# Altium PCB Port Depoyable Solar Panel 2U.PcbDoc
Units mm, origin at the board's own origin, x right, y up, seen from the top; angles counter-clockwise.
Board outline 214 x 81 mm, 2 copper layers (Top Layer, Bottom Layer), stack 1.649 mm thick; 53 components, 35 nets, 166 pads, 704 vias.
Unrouted connection lines stored in the file: 33.
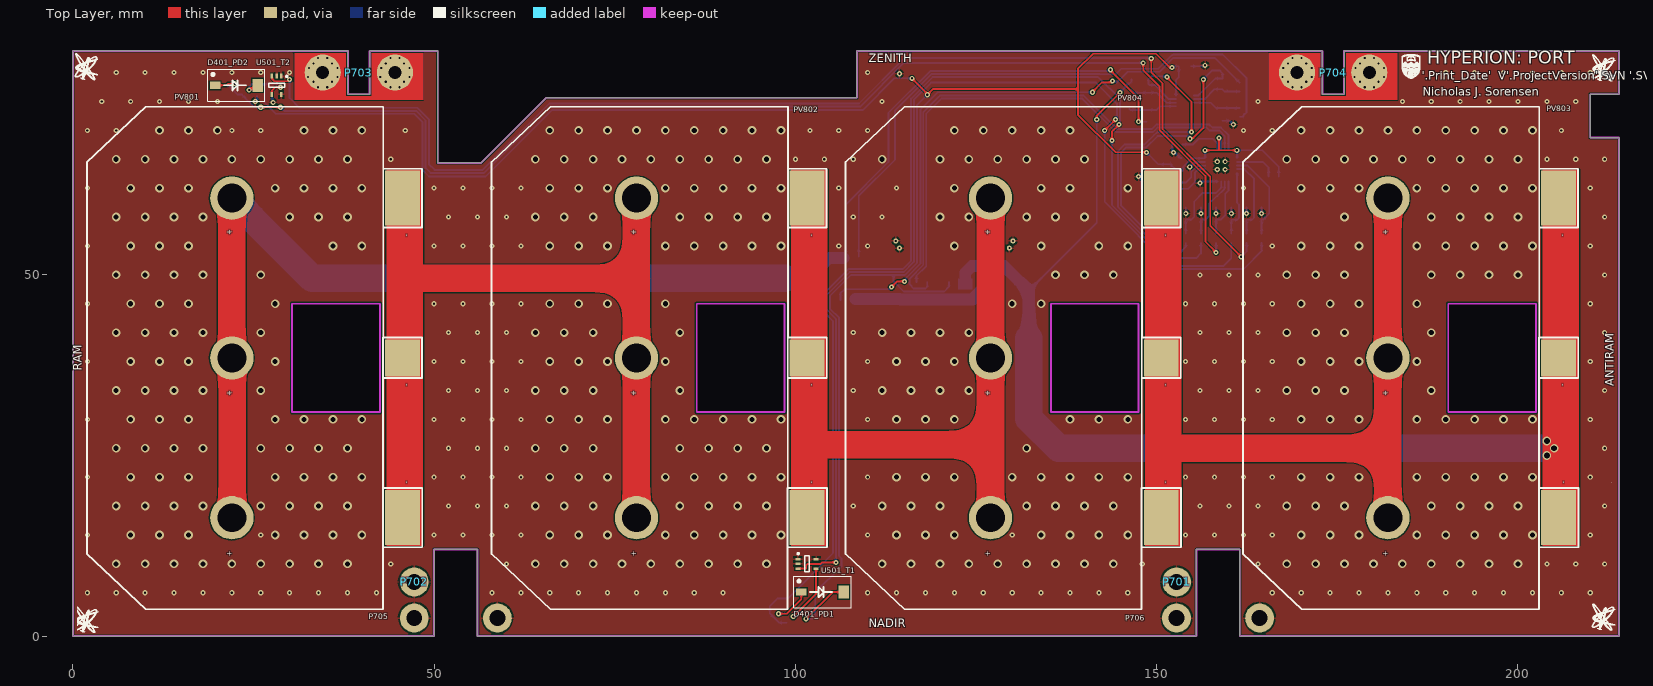
[diagram p0: Top Layer view]
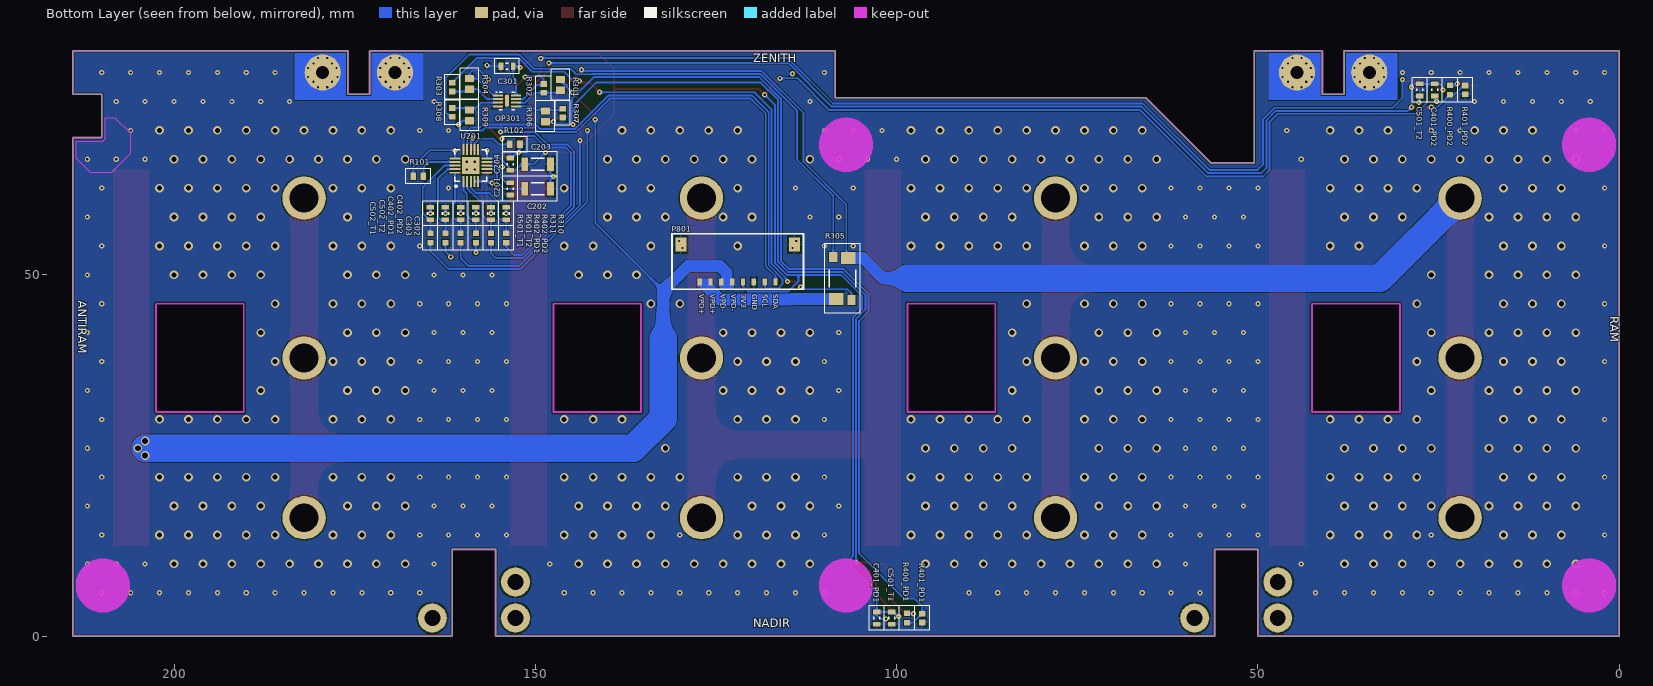
[diagram p1: Bottom Layer view, seen from below]

## Layer stack, top to bottom
Top Solder: solder mask 0.01, Solder Resist, Dk 3.5
Top Layer: signal copper 0.07
Dielectric 1: dielectric 1.509, FR-4, Dk 4.8
Bottom Layer: signal copper 0.07
Bottom Solder: solder mask 0.01, Solder Resist, Dk 3.5

## Board outline
0,0 50,0 50,12 56,12 56,0 155.5,0 155.5,12 161.5,12 161.5,0 214,0 214,69 210,69 210,75 214,75 214,81 206.7,81 175.925,81 175.925,75 172.925,75 172.925,81 108.5,81 108.5,74.5 65.5,74.5 56.5,65.5 50.5,65.5 50.5,81 41.075,81 41.075,75 38.075,75 38.075,81 0,81 0,69
cut-out: 42.5,46 30.35,46 30.35,31 42.5,31
cut-out: 98.5,46 86.35,46 86.35,31 98.5,31
cut-out: 147.5,46 135.35,46 135.35,31 147.5,31
cut-out: 202.5,46 190.35,46 190.35,31 202.5,31

## Design rules (kind name [scope] priority, off if disabled: settings)
BoardOutlineClearance [All] p1: gap=0.254 ignorepadtopadclearanceinfootprint=FALSE
Clearance Clearance_1 [(InComponent('P701') OR InComponent('P702')) AND InNet('V-') vs InNet('GND')] p1: gap=0.5 ignorepadtopadclearanceinfootprint=FALSE
Clearance [All] p2: gap=0.152 ignorepadtopadclearanceinfootprint=FALSE
HoleSize [All] p1: absolutevalues=TRUE maxlimit=6 minlimit=0.3 maxpercent=80.000 minpercent=20.000
MinimumAnnularRing [All] p1: minimumring=0.15
MinimumSolderMaskSliver [All] p1: minsoldermaskwidth=0.127
PolygonConnect [All] p1: connectstyle=Relief reliefconductorwidth=0.254 reliefentries=4 polygonreliefangle="90 Angle" airgapwidth=0.254
RoutingVias [All] p1: holewidth=0.3 width=0.7 viastyle="Through Hole" minholewidth=0.2 minwidth=0.7 maxholewidth=6 maxwidth=7 useviatemplates=TRUE viatemplateguid#1={882278E7-8E0C-4CEE-8F95-918CDB3FF669} viatemplatename#1=v70h30m0mx0
SilkToSilkClearance [All] p1: silktosilkclearance=0
SilkToSolderMaskClearance [IsPad] p1: minsilkscreentomaskgap=0.025 clearancetoexposedcopper=TRUE
SolderMaskExpansion [All] p1: expansion=0.076 istentingtop=FALSE
Width [All] p1: maxlimit=10.16 minlimit=0.152 preferedwidth=0.254
26 further rules are at their usual default settings.

## Classes and differential pairs
component class Headers: P801
channel class Temp_Sensor: T1 T2 T3
channel class Photodiode_Sun_Sensor: PD1 PD2 PD3
component class T2: C501_T2 C502_T2 R501_T2 U501_T2
component class T1: C501_T1 C502_T1 R501_T1 U501_T1
component class "Port Depoyable 2U": R101 R102
component class PD2: C401_PD2 C402_PD2 D401_PD2 R400_PD2 R401_PD2 R402_PD2
component class PD1: C401_PD1 C402_PD1 D401_PD1 R400_PD1 R401_PD1 R402_PD1
component class "Mechanical Interfacing": P701 P702 P703 P704 P705 P706
component class "Current and Voltage Sensors": C301 C302 C303 OP301 R301 R302 R303 R304 R305 R306 R307 R308 R309 R310 R311
component class "Photovoltaic Array": PV801 PV802 PV803 PV804 Q101
net class VIN[0..7]: VIN0 VIN1 VIN2 VIN3 VIN4 VIN5 VIN6
component class "U_AD7291 12-Bit I2C ADC": C201 C202 C203 C204 U201

## Components (designator, comment, footprint, x,y, rotation, side; value= is the part's Value field where it differs from the comment)
C201 "Cap" TDK-CGA3E 153.484,61.914 r90 bottom value=1µF
C202 "Cap" TDK-CGA5L 149.684,61.914 r180 bottom value=10µF
C203 "Cap" TDK-CGA5L 149.684,65.314 r180 bottom value=10µF
C204 "Cap" TDK-CGA3E 153.475,65.314 r270 bottom value=0.1µF
C301 "Cap" TDK-CGA3E 153.909,78.88 r180 bottom value=0.1µF
C302 "Cap" TDK-CGA3E 154.027,58.488 r270 bottom value=680pF
C303 "Cap" TDK-CGA3E 156.127,58.488 r270 bottom value=680pF
C401_PD1 "Cap" TDK-CGA3E 102.75,2.5 r90 bottom value=0.1µF (schematic designator C401)
C401_PD2 "Cap" TDK-CGA3E 25.5,75.6 r90 bottom value=0.1µF (schematic designator C401)
C402_PD1 "Cap" TDK-CGA3E 160.327,58.488 r270 bottom value=680pF (schematic designator C402)
C402_PD2 "Cap" TDK-CGA3E 158.227,58.488 r270 bottom value=680pF (schematic designator C402)
C501_T1 "Cap" TDK-CGA3E 100.65,2.5 r90 bottom value=0.1µF (schematic designator C501)
C501_T2 "Cap" TDK-CGA3E 27.6,75.6 r90 bottom value=0.1µF (schematic designator C501)
C502_T1 "Cap" TDK-CGA3E 164.52,58.493 r270 bottom value=680pF (schematic designator C502)
C502_T2 "Cap" TDK-CGA3E 162.438,58.487 r270 bottom value=680pF (schematic designator C502)
D401_PD1 "PDB-C160SMCT-ND" PDB-C160SM 100.8,6.1 r0 top (schematic designator D401)
D401_PD2 "PDB-C160SMCT-ND" PDB-C160SM 19.685,76.235 r0 top (schematic designator D401)
OP301 "OPA2333" TI-DSG0008A 153.909,74.08 r180 bottom
P701 "Mounting_Hole" BURNWIRE_SCREW_SMALL_FOOT 152.75,7.5 r0 top
P702 "Mounting_Hole" BURNWIRE_SCREW_SMALL_FOOT 47.25,7.5 r0 top
P703 "Mounting_Hole" DEPHINGE_MOUNTING_HOLE 44.575,78 r180 top
P704 "Mounting_Hole" DEPHINGE_MOUNTING_HOLE 179.425,78 r180 top
P705 "Switch Depressor" SWITCH_DEPRESSOR 53,2.5 r0 top
P706 "Switch Depressor" SWITCH_DEPRESSOR 158.5,2.5 r0 top
P801 "WM14421CT-ND" MOLX-5040500891 122,49 r0 bottom
PV801 "XTJPrime" "XTJ PRIME" 22,38.5 r270 top
PV802 "XTJPrime" "XTJ PRIME" 78,38.5 r270 top
PV803 "XTJPrime" "XTJ PRIME" 182,38.5 r270 top
PV804 "XTJPrime" "XTJ PRIME" 127,38.5 r270 top
R101 "Res3" VSH-0603MCT 166.196,63.632 r0 bottom value=10k
R102 "Res3" VSH-0603MCT 152.828,68.052 r180 bottom value=10k
R301 "0.1% 1/8W" PANA-ERA6A 146.513,76.305 r270 bottom value=1M
R302 "0.1% 1/10W 0603" PANA-ERA3A 148.863,75.805 r90 bottom value=154k
R303 "0.1% 1/10W 0603" PANA-ERA3A 161.502,75.98 r270 bottom value=2.4k
R304 "0.1% 1/8W" PANA-ERA6A 159.102,76.43 r90 bottom value=1M
R305 "Res Sense" VSH-2512R4C 107.5,49.5 r270 bottom value=0.01
R306 "0.1% 1/8W" PANA-ERA6A 148.609,71.93 r90 bottom value=1M
R307 "0.1% 1/10W 0603" PANA-ERA3A 146.209,72.38 r270 bottom value=154k
R308 "0.1% 1/10W 0603" PANA-ERA3A 161.502,72.48 r90 bottom value=2.4k
R309 "0.1% 1/8W" PANA-ERA6A 159.102,72.08 r270 bottom value=1M
R310 "Res3" PANA-ERJ3EK 154.027,55.088 r270 bottom value=100
R311 "Res3" PANA-ERJ3EK 156.127,55.088 r270 bottom value=100
R400_PD1 "Res3" PANA-ERJ3EK 98.55,2.5 r90 bottom value=9.09k (schematic designator R400)
R400_PD2 "Res3" PANA-ERJ3EK 23.4,75.6 r90 bottom value=9.09k (schematic designator R400)
R401_PD1 "0.1% 1/16W" PANA-ERA3A 96.45,2.5 r90 bottom value=24k (schematic designator R401)
R401_PD2 "0.1% 1/16W" PANA-ERA3A 21.3,75.6 r90 bottom value=24k (schematic designator R401)
R402_PD1 "Res3" PANA-ERJ3EK 160.328,55.088 r270 bottom value=100 (schematic designator R402)
R402_PD2 "Res3" PANA-ERJ3EK 158.227,55.088 r270 bottom value=100 (schematic designator R402)
R501_T1 "Res3" PANA-ERJ3EK 164.519,55.093 r270 bottom value=100 (schematic designator R501)
R501_T2 "Res3" PANA-ERJ3EK 162.439,55.088 r270 bottom value=100 (schematic designator R501)
U201 "AD7291" ADI-CP-20-8 158.927,65.13 r90 bottom
U501_T1 "TMP235AEDCKRQ1" TI-R-PDSO-G5 101.6,10 r0 top (schematic designator U501)
U501_T2 "TMP235AEDCKRQ1" TI-R-PDSO-G5 28.2,76.235 r270 top (schematic designator U501)

## Footprints (in the part's own frame and the unit in brackets; to place one, negate y for a bottom-side part, rotate by r counter-clockwise, add the part's x,y. Pads: shape width x height; smd on the part's side, far side on the other; paste and mask are expansions set on the pad)
ADI-CP-20-8 [mm] "QFN, 20-Leads, Body 4.00x4.00mm, Pitch 0.50mm, Thermal Pad 2.55x2.55mm, IPC Low Density"
  rect 1.5x0.27 smd mask+0.038: 1(-2.2,1) 2(-2.2,0.5) 3(-2.2,0) 4(-2.2,-0.5) 5(-2.2,-1) 11(2.2,-1) 12(2.2,-0.5) 13(2.2,0) 14(2.2,0.5) 15(2.2,1)
  rect 0.27x1.5 smd mask+0.038: 6(-1,-2.2) 7(-0.5,-2.2) 8(0,-2.2) 9(0.5,-2.2) 10(1,-2.2) 16(1,2.2) 17(0.5,2.2) 18(0,2.2) 19(-0.5,2.2) 20(-1,2.2)
  rect 2.4x2.4 smd: 21(0,0)
  silkscreen extent -2.97,-2.2 2.2,2.2, body extent -2.07,-2.07 2.07,2.07, height 0.8
BURNWIRE_SCREW_SMALL_FOOT [mm]
  round 4 hole 2.2: 1(0,0)
  body extent -2.25,-2.31 2.25,2.31, height 2.15
DEPHINGE_MOUNTING_HOLE [mm]
  round 5 hole 1.8: 1(0,0) 1(10,0)
  Top Layer region: 3.2,-2.7 3.2,3.3 6.8,3.3 6.8,-2.7 13.9,-2.7 13.9,3.8 -3.9,3.8 -3.9,-2.7
  Bottom Layer region: 3.2,-2.7 3.2,3.3 6.8,3.3 6.8,-2.7 13.9,-2.7 13.9,3.8 -3.9,3.8 -3.9,-2.7
MOLX-5040500891 [mm]
  rect 0.6x1 smd: 1(-5.25,0) 2(-3.75,0) 3(-2.25,0) 4(-0.75,0) 5(0.75,0) 6(2.25,0) 7(3.75,0) 8(5.25,0)
  round 0.7 hole 0.3 mask+0.102: M1(-8.105,-5.7) M1(-7.605,-4.7) M2(7.605,-4.7) M2(8.105,-5.7)
  rect 1.5x2 smd: M1(-7.855,-5.2) M2(7.855,-5.2)
  silkscreen extent -9.1,-6.7 9.1,1, body extent -8.27,-8.2 8.27,0.39, height 2.01
PANA-ERA3A [mm] "Chip Resistor, 2-Leads, Body 1.60x0.80mm, IPC High Density"
  rect 0.8x0.9 smd: 1(-0.6,0) 2(0.6,0)
  silkscreen extent -1.7,-1.05 1.7,1.05, body extent -0.9,-0.5 0.9,0.5, height 0.55
PANA-ERA6A [mm] "Chip Resistor, 2-Leads, Body 2.00x1.25mm, IPC High Density"
  rect 1x1.25 smd: 1(-0.75,0) 2(0.75,0)
  silkscreen extent -2.15,-1.3 2.15,1.3, body extent -1.1,-0.67 1.1,0.67, height 0.6
PANA-ERJ3EK [mm] "Chip Resistor, 2-Leads, Body 1.60x0.85mm, IPC High Density"
  rect 0.75x0.85 smd: 1(-0.65,0) 2(0.65,0)
  silkscreen extent -1.7,-1.05 1.7,1.05, body extent -0.88,-0.48 0.87,0.48, height 0.55
PDB-C160SM [mm] "Photodiode"
  rect 1.45x1 smd: 1(0,0)
  rect 1.45x1.8 smd: 2(5.9,0)
  silkscreen extent -1,-2.2 6.9,2.2, body extent -0.29,-1.87 6.18,1.97, height 1.15
SWITCH_DEPRESSOR [mm]
  round 4 hole 2.2: 1(-5.75,0) 1(5.75,0)
  body extent -8,-2.31 8,2.31, height 4.85
TDK-CGA3E [mm] "Chip Capacitor, 2-Leads, Body 1.60x0.80mm, IPC Low Density"
  rect 0.65x1.05 smd: 1(-0.85,0) 2(0.85,0)
  silkscreen extent -1.7,-1.05 1.7,1.05, body extent -0.85,-0.45 0.85,0.45, height 0.8
TDK-CGA5L [mm] "Chip Capacitor, 2-Leads, Body 3.20x1.60mm, IPC Low Density"
  rect 0.95x1.9 smd: 1(-1.775,0) 2(1.775,0)
  silkscreen extent -2.75,-1.7 2.75,1.7, body extent -1.7,-0.9 1.7,0.9, height 1.6
TI-DSG0008A [mm] "SON, 8-Leads, Body 2.00x2.00mm, Pitch 0.50mm, Thermal Pad 1.60x0.69mm, IPC Low Density"
  rect 1.4x0.27 smd mask+0.051: 1(-1.245,0.75) 2(-1.245,0.25) 3(-1.245,-0.25) 4(-1.245,-0.75) 5(1.245,-0.75) 6(1.245,-0.25) 7(1.245,0.25) 8(1.245,0.75)
  rect 0.6x1.6 smd mask+0.051: 9(0,0)
  silkscreen extent -1.5,-1.2 1.05,1.25, body extent -1.05,-1.05 1.05,1.05, height 0.8
TI-R-PDSO-G5 [mm] "SOT23, 5-Leads, Body 2.00x2.10mm, Pitch 0.65mm, IPC Low Density"
  rect 0.712x0.35 smd: 1(-1.266,0.65) 2(-1.266,0) 3(-1.266,-0.65) 4(1.266,-0.65) 5(1.266,0.65)
  silkscreen extent -1.35,-1.1 0.3,1.55, body extent -1.2,-1.07 1.2,1.08, height 1.1
VSH-0603MCT [mm] "Chip Resistor, 2-Leads, Body 1.55x0.85mm, IPC Low Density"
  rect 0.8x1.05 smd: 1(-0.7,0) 2(0.7,0)
  silkscreen extent -1.7,-1.05 1.7,1.05, body extent -0.8,-0.48 0.8,0.48, height 0.55
VSH-2512R4C [mm]
  rect 1.65x2.01 smd: 1(-2.855,0.835) 2(2.855,-0.835)
  rect 1.39x1.14 smd: 3(2.999,1.27) 4(-2.999,-1.27)
  silkscreen extent -4.8,-2.45 4.8,2.45, body extent -3.15,-1.55 3.15,1.55, height 0.61
"XTJ PRIME" [mil] "Spectrolab Solar Cell"
  round 236.22 hole 157.48: 1(-870.5,0) 1(0,0) 1(870.5,0)
  rect 300x190 smd: 2(-870.5,930) 2(870.5,930)
  rect 200x190 smd: 2(0,930)
  silkscreen extent -1369,-790 1369,1038, body extent -1357,-778 1356,1006, height 63

## Part data
C201: library part PC-TDK-02603, "CAP CER 1UF 25V X7R 0603", Manufacturer Part Number=CGA3E1X7R1E105K080AC, Supplier Part Number 1=445-6931-1-ND, Temperature Coefficient=X7R, Tolerance=±10%, Voltage - Rated=25V, Applications=Automotive, Index=2603, LatestRevisionDate=2016-03-16, LatestRevisionNote=..., PackageDescription="Radial Cap, Thru-Hole; 2 Leads; 0.3 in Pin Spacing", PackageReference="0603 (1608 Metric)", Part Number=PC-TDK-02603, Published=2016-03-16, Publisher=AlbertaSat, Supplier 1=Digi-key, Supplier Link=http://www.digikey.ca/product-search/en?keywords=445-6931-1-ND
C202 C203: library part PC-TDK-02917, "CAP CER 10UF 25V X7R 1206", Manufacturer Part Number=CGA5L1X7R1E106K160AC, Supplier Part Number 1=445-6990-1-ND, Temperature Coefficient=X7R, Tolerance=±10%, Voltage - Rated=25V, Applications=Automotive, Index=2917, LatestRevisionDate=3/16/2016, LatestRevisionNote=..., PackageDescription="Radial Cap, Thru-Hole; 2 Leads; 0.3 in Pin Spacing", PackageReference="1206 (3216 Metric)", Part Number=PC-TDK-02917, Published=3/16/2016, Publisher=AlbertaSat, Supplier 1=Digi-key, Supplier Link=http://www.digikey.ca/product-search/en?keywords=445-6990-1-ND
C204 C301 C401_PD1 C401_PD2 C501_T1 C501_T2: library part PC-TDK-02270, "CAP CER 0.1UF 25V X7R 0603", Manufacturer Part Number=CGA3E2X7R1E104M080AA, Supplier Part Number 1=445-12541-1-ND, Temperature Coefficient=X7R, Tolerance=±20%, Voltage - Rated=25V, Applications=Automotive, Index=2270, LatestRevisionDate=3/16/2016, LatestRevisionNote=..., PackageDescription="Radial Cap, Thru-Hole; 2 Leads; 0.3 in Pin Spacing", PackageReference="0603 (1608 Metric)", Part Number=PC-TDK-02270, Published=3/16/2016, Publisher=AlbertaSat, Supplier 1=Digi-key, Supplier Link=http://www.digikey.ca/product-search/en?keywords=445-12541-1-ND
C302 C303 C402_PD1 C402_PD2 C502_T1 C502_T2: library part PC-TDK-01433, "CAP CER 680PF 50V X7R 0603", Manufacturer Part Number=CGA3E2X7R1H681K, Supplier Part Number 1=445-6919-1-ND, Temperature Coefficient=X7R, Tolerance=±10%, Voltage - Rated=50V, Applications=Automotive, Index=1433, LatestRevisionDate=3/16/2016, LatestRevisionNote=..., PackageDescription="Radial Cap, Thru-Hole; 2 Leads; 0.3 in Pin Spacing", PackageReference="0603 (1608 Metric)", Part Number=PC-TDK-01433, Published=3/16/2016, Publisher=AlbertaSat, Supplier 1=Digi-key, Supplier Link=http://www.digikey.ca/product-search/en?keywords=445-6919-1-ND
D401_PD1 D401_PD2: library part PXX-ADP-00000, "SENSOR PHOTODIODE 850NM 2SMD GW", Manufacturer Part Number="Advanced Photonics", Index=1, LatestRevisionDate=3/28/2020, LatestRevisionNote=..., PackageReference=PIN2, Part Number=PXX-ADP-00000, Published=3/28/2020, Publisher=AlbertaSat, Supplier 1=Digi-key, Supplier Part Number 1=PDB-C160SMCT-ND
OP301: library part 73, "CMOS Amplifier 2 Circuit Rail-to-Rail 8-WSON (2x2)", Manufacturer Part Number=OPA2333PIDSGR, Operating Temperature="-55°C ~ 150°C", Supplier Part Number 1=296-51501-1-ND, Voltage - Supply="1.8V ~ 5.5V, ±0.9V ~ 2.75V", PackageReference="8-WFDFN Exposed Pad", Part Number=73, Supplier 1=Digi-Key, Supplier 2=Mouser, Supplier Link=#https://www.digikey.ca/product-detail/en/texas-instruments/OPA2333PIDSGR/296-51501-1-ND/9745865#, Supplier Part Number 2=595-OPA2333PIDSGR
P701 P702: library part PXX-ABS-00016, Manufacturer Part Number=Custom, Index=16, LatestRevisionNote=..., Part Number=PXX-ABS-00016, Publisher=AlbertaSat, Supplier 1=Digi-key
P703 P704: library part PXX-ABS-00003, "Depolyable Hinge Mounting hole.", Manufacturer Part Number=N/A, Index=3, LatestRevisionNote=..., PackageReference=P?, Part Number=PXX-ABS-00003, Publisher=AlbertaSat, Supplier 1=N/A, Supplier Part Number 1=N/A
P705 P706: library part PXX-ABS-00005, "Hardware for depressing the switch", Manufacturer Part Number=Custom, Index=5, LatestRevisionNote=..., Part Number=PXX-ABS-00005, Publisher=AlbertaSat, Supplier 1=Digi-key
P801: library part 67, "CONN HEADER SMD R/A 8POS 1.5MM", Manufacturer Part Number=5040500891, LatestRevisionDate=17-Jul-2002, LatestRevisionNote="Re-released for DXP Platform.", Part Number=67, Publisher="Altium Limited", Supplier 1=Digi-Key, Supplier Link=#https://www.digikey.ca/product-detail/en/molex/5040500891/WM14421CT-ND/6133151#, Supplier Part Number 1=WM14421CT-ND
PV801 PV802 PV803 PV804: library part PBT-SPEC-00002, Manufacturer Part Number=Spectrolab, Supplier Part Number 1="UTJ CIC 26.26cm^2", Index=2, LatestRevisionNote=..., PackageReference="3-Connector Solar Cell", Part Number=PBT-SPEC-00002, Publisher=AlbertaSat, Supplier 1=Spectrolab
R101 R102: library part PR-VSH-00143, "RES SMD 10K OHM 1% 1/8W 0603", Manufacturer Part Number=MCT06030C1002FP500, Power - Rated=1/8W, Supplier Part Number 1=MCT0603-10.0K-CFCT-ND, Temperature Coefficient=±50ppm/°C, Tolerance=±1%, Applications="General Purpose", Index=143, LatestRevisionDate=3/14/2016, LatestRevisionNote=..., PackageDescription="Chip Resistor, 2-Leads, Body 1.55x0.85mm, IPC Low Density", PackageReference="0603 (1608 Metric)", Part Number=PR-VSH-00143, Published=3/14/2016, Publisher=AlbertaSat, Supplier 1=Digi-key, Supplier Link=http://www.digikey.ca/product-search/en?keywords=MCT0603-10.0K-CFCT-ND
R301 R304 R306 R309: library part 19706, "RES SMD 1M OHM 0.1% 1/8W 0805", Manufacturer Part Number=ERA-6AEB105V, Power="0.125W, 1/8W", Supplier Part Number 1=P1MDACT-ND, Temperature Coefficient=±25ppm/°C, Tolerance=±0.1%, LatestRevisionDate=29-May-2009, LatestRevisionNote="IPC-7351 Footprint Added.", PackageDescription="Chip Resistor, 2-Leads, Body 2.00x1.25mm, IPC Low Density", PackageReference="0805 (2012 Metric)", Part Number=19706, Published=8-Jun-2000, Publisher="Altium Limited", Supplier 1=Digi-Key, Supplier Link=http://www.digikey.ca/product-search/en?keywords=P1MDACT-ND
R302 R307: library part 18923, "RES SMD 154K OHM 0.1% 1/10W 0603", Manufacturer Part Number=ERA-3AEB1543V, Power="0.1W, 1/10W", Supplier Part Number 1=P154KDBCT-ND, Temperature Coefficient=±25ppm/°C, Tolerance=±0.1%, LatestRevisionDate=29-May-2009, LatestRevisionNote="IPC-7351 Footprint Added.", PackageDescription="Chip Resistor, 2-Leads, Body 1.60x0.80mm, IPC Low Density", PackageReference="0603 (1608 Metric)", Part Number=18923, Published=8-Jun-2000, Publisher="Altium Limited", Supplier 1=Digi-Key, Supplier Link=http://www.digikey.ca/product-search/en?keywords=P154KDBCT-ND
R303 R308: library part 16107, "RES SMD 2.4K OHM 0.1% 1/10W 0603", Manufacturer Part Number=ERA-3ARB242V, Power="0.1W, 1/10W", Supplier Part Number 1=P2.4KBDCT-ND, Temperature Coefficient=±10ppm/°C, Tolerance=±0.1%, LatestRevisionDate=29-May-2009, LatestRevisionNote="IPC-7351 Footprint Added.", PackageDescription="Chip Resistor, 2-Leads, Body 1.60x0.80mm, IPC Low Density", PackageReference="0603 (1608 Metric)", Part Number=16107, Published=8-Jun-2000, Publisher="Altium Limited", Supplier 1=Digi-Key, Supplier Link=http://www.digikey.ca/product-search/en?keywords=P2.4KBDCT-ND
R305: library part PR-VSH-00237, "RES SMD 0.01 OHM 0.1% 1W 2512", Manufacturer Part Number=Y14870R01000B9W, Power - Rated=1W, Supplier Part Number 1=Y1487-.01-ND, Temperature Coefficient=±15ppm/°C, Tolerance=±0.1%, Applications=Automotive, Index=237, LatestRevisionDate=2017-07-12, LatestRevisionNote=..., PackageReference=VSH-2512R4C, Part Number=PR-VSH-00237, Published=2017-07-12, Publisher=AlbertaSat, Supplier 1=Digi-key, Supplier Link=http://www.digikey.ca/product-search/en?keywords=Y1487-.01-ND
R310 R311 R402_PD1 R402_PD2 R501_T1 R501_T2: library part 14083, "RES SMD 100 OHM 1% 1/10W 0603", Manufacturer Part Number=ERJ-3EKF1000V, Power="0.1W, 1/10W", Supplier Part Number 1=P100HCT-ND, Temperature Coefficient=±100ppm/°C, Tolerance=±1%, LatestRevisionDate=29-May-2009, LatestRevisionNote="IPC-7351 Footprint Added.", PackageDescription="Chip Resistor, 2-Leads, Body 1.60x0.80mm, IPC Low Density", PackageReference="0603 (1608 Metric)", Part Number=14083, Published=8-Jun-2000, Publisher="Altium Limited", Supplier 1=Digi-Key, Supplier Link=http://www.digikey.ca/product-search/en?keywords=P100HCT-ND
R400_PD1 R400_PD2: library part 17130, "RES SMD 9.09K OHM 1% 1/10W 0603", Manufacturer Part Number=ERJ-3EKF9091V, Power="0.1W, 1/10W", Supplier Part Number 1=P9.09KHCT-ND, Temperature Coefficient=±100ppm/°C, Tolerance=±1%, LatestRevisionDate=29-May-2009, LatestRevisionNote="IPC-7351 Footprint Added.", PackageDescription="Chip Resistor, 2-Leads, Body 1.60x0.80mm, IPC Low Density", PackageReference="0603 (1608 Metric)", Part Number=17130, Published=8-Jun-2000, Publisher="Altium Limited", Supplier 1=Digi-Key, Supplier Link=http://www.digikey.ca/product-search/en?keywords=P9.09KHCT-ND
R401_PD1 R401_PD2: library part 17836, "RES SMD 24K OHM 0.1% 1/10W 0603", Manufacturer Part Number=ERA-3ARB243V, Power="0.1W, 1/10W", Supplier Part Number 1=P24KBDCT-ND, Temperature Coefficient=±10ppm/°C, Tolerance=±0.1%, LatestRevisionDate=29-May-2009, LatestRevisionNote="IPC-7351 Footprint Added.", PackageDescription="Chip Resistor, 2-Leads, Body 1.60x0.80mm, IPC Low Density", PackageReference="0603 (1608 Metric)", Part Number=17836, Published=8-Jun-2000, Publisher="Altium Limited", Supplier 1=Digi-Key, Supplier Link=http://www.digikey.ca/product-search/en?keywords=P24KBDCT-ND
U201: library part PU-ADI-00006, "IC ADC 12BIT SAR 20LFCSP", Manufacturer Part Number=AD7291TCPZ-EP, Supplier Part Number 1=AD7291TCPZ-EP-ND, Index=6, LatestRevisionDate=2019-07-16, LatestRevisionNote=..., PackageDescription="QFN, 20-Leads, Body 4.00x4.00mm, Pitch 0.50mm, Thermal Pad 2.55x2.55mm, IPC Low Density", PackageReference="20-WFQFN Exposed Pad", Part Number=PU-ADI-00006, Published=2019-07-16, Publisher=AlbertaSat, Supplier 1=Digi-key, Supplier 2=Mouser, Supplier Link=#https://www.digikey.ca/products/en?keywords=AD7291TCPZ-EP-ND#, Supplier Part Number 2=584-AD7291TCPZ-EP
U501_T1 U501_T2: library part 136, "LOW-POWER HIGH-ACCURACY ANALOG O", Operating Temperature="-40°C~150°C (TJ)", Supplier Part Number 1=296-TMP235AEDCKRQ1CT-ND, Manufacturer Part Number=TMP235AEDCKRQ1, PackageReference=SC-70-5, Part Number=136, Supplier 1=Digi-Key, Supplier Link=#https://www.digikey.ca/en/products/detail/texas-instruments/TMP235AEDCKRQ1/11308802#

## Via types
v1: diameter 1.2, hole 0.7, Top Layer to Bottom Layer, 388 vias
v2: diameter 0.71, hole 0.3, Top Layer to Bottom Layer, tented both sides, 210 vias
v3: diameter 0.7, hole 0.3, Top Layer to Bottom Layer, tented both sides, 51 vias
v4: diameter 0.655, hole 0.3, Top Layer to Bottom Layer, 48 vias
v5: diameter 0.711, hole 0.33, Top Layer to Bottom Layer, tented top, 4 vias
v6: diameter 1.2, hole 0.8, Top Layer to Bottom Layer, tented both sides, 3 vias

## Nets (pads, with @x,y where several pads share a name; then routed paths per layer and width w, separated by ;. In a path a pad name is that pad's centre, name@x,y a point inside that pad or via, vN(x,y) a via of type N, cw(c..) or ccw(c..) an arc to the next point about the centre after c; other vN are vias at no path point)
3V3: C203.1 C204.2 C301.2 C401_PD1.2 C401_PD2.2 C501_T1.2 C501_T2.2 D401_PD1.2 D401_PD2.2 OP301.8 P801.4 R101.2 U201.10 U201.13 U201.16 U501_T1.4 U501_T2.4 | length 318.8
  Top Layer w0.254: v3(24.4,75.6) 24.605,75.805 25.155,75.805 D401_PD2.2 ; U501_T2.4 27.55,75.5 28.018,75.968 v3(28.75,75.968) ; v3(99.7,2.7) 102.866,5.866 U501_T1.4 ; v3(101.45,2.4) 105.15,6.1 D401_PD1.2 ; v3(116.113,77.2) 118.25,75.063 v3(118.25,74.923) 119.027,75.7 139.1,75.7 ; v3(148.609,66.935) 148.581,66.963 144.304,66.963 139.1,72.168 139.1,75.7 ; v3(152.128,78.706) 151.794,78.706 149.906,80.594 141.194,80.594 139.1,78.5 139.1,75.7 ; v3(156.704,67.24) 158.7,67.24 ; v3(158.618,68.953) 158.618,67.322 158.7,67.24 ; v3(161.086,67.24) 158.7,67.24
  Bottom Layer w0.254: v3@24.5,75.8 24.5,76.1 24.85,76.45 C401_PD2.2 26.55,76.45 ; v3(28.75,75.968) 28.75,76.3 28.6,76.45 C501_T2.2 26.55,76.45 ; v3(99.7,2.7) 99.8,2.7 100.45,3.35 C501_T1.2 C401_PD1.2 ; v3(101.45,2.4) 102.35,2.4 102.75,2.8 C401_PD1.2 ; v3(116.113,77.2) 113.7,77.2 109.3,72.8 66.3,72.8 57.113,63.613 49.287,63.613 48.368,64.532 48.368,71.168 47.243,72.294 28.106,72.294 26.55,73.85 26.55,76.45 ; v3(118.25,74.923) 116.813,73.486 116.813,51.626 115.174,49.987 113.595,49.987 ; P801.4 121.25,48.35 120.6,47.7 114.995,47.7 113.595,49.1 113.595,49.987 ; v3(148.609,66.935) 150.23,65.314 C203.1 151.912,65.314 152.762,64.464 C204.2 153.675,64.464 153.675,64.982 154.823,66.13 U201.10 156.704,66.153 v3(156.704,67.24) ; v3(152.128,78.706) 152.128,78.778 152.23,78.88 C301.2 153.059,77.335 152.664,76.94 OP301.8 ; v3(158.618,68.953) 158.618,68.867 158.904,68.581 158.904,67.353 U201.13 ; U201.16 161.127,67.199 v3(161.086,67.24) 164.611,67.24 166.896,64.955 R101.2 ; C401_PD1.2 102.75,6.05 106.4,9.7 106.4,10.7 106.037,11.063 106.037,44.072 104.781,45.327 104.781,47.077 107.691,49.987 113.595,49.987
I_buffer_out: OP301.1 R304.2 R310.2 | length 49.2
  Top Layer w0.254: v3(154.622,68.84) 154.735,68.953 155.073,68.953 156.454,70.335 v3(156.454,77.055)
  Bottom Layer w0.254: R310.2 154.027,53.863 152.897,52.733 151.891,52.733 145.067,59.558 145.067,66.935 145.777,67.646 148.555,67.646 150.112,69.203 154.526,69.203 154.622,69.107 v3(154.622,68.84) ; OP301.1 155.784,74.83 158.134,77.18 R304.2 159.102,77.898 158.7,78.3 157.699,78.3 v3(156.454,77.055)
NetC201_2: C201.2 U201.8 | length 4.6
  Bottom Layer w0.254: C201.2 154.027,62.764 154.786,63.523 154.786,64.241 155.652,65.107 156.704,65.107 U201.8
NetC202_1: C202.1 U201.7 | length 7.1
  Bottom Layer w0.254: C202.1 154.356,61.914 155.286,62.845 155.286,64.13 155.786,64.63 U201.7
NetD401_PD1_1: D401_PD1.1 R400_PD1.2 | length 5.9
  Top Layer w0.254: v3(97.65,3.1) 98.8,3.1 100.8,5.1 D401_PD1.1
  Bottom Layer w0.254: v3(97.65,3.1) 98.5,3.1 R400_PD1.2
NetD401_PD2_1: D401_PD2.1 R400_PD2.2 | length 3.9
  Top Layer w0.254: D401_PD2.1 21.285,76.235 21.505,76.455 v3(22.4,76.455)
  Bottom Layer w0.254: v3(22.4,76.455) 22.605,76.25 R400_PD2.2
NetOP301_2: OP301.2 R303.2 R304.1 | length 7
  Bottom Layer w0.254: OP301.2 156.634,74.33 157.984,75.68 R304.1 159.402,75.38 R303.2
NetOP301_3: OP301.3 R308.2 R309.1 | length 6.7
  Bottom Layer w0.254: OP301.3 157.509,73.83 158.259,73.08 R308.2
NetOP301_5: OP301.5 R306.2 R307.1 | length 6.7
  Bottom Layer w0.254: R307.1 146.359,72.83 150.009,72.83 150.509,73.33 OP301.5
NetOP301_6: OP301.6 R301.2 R302.1 | length 6.9
  Bottom Layer w0.254: R301.2 146.863,75.205 R302.1 150.009,75.205 151.384,73.83 OP301.6
NetPV801_2: PV801.2 PV802.1 | length 75.2
  Top Layer w3.81: 47,49.5 78,49.5 ; PV802.1@78,16.389 78,38.5 78,49.5 ; PV802.1@78,60.611 78,49.5
NetPV802_2: PV802.2 PV804.1 | length 69.7
  Top Layer w3.81: 101.5,26.5 127,26.5 ; PV804.1@127,16.389 127,26.5 ; PV804.1@127,60.611 127,38.5 127,26.5
NetPV803_1: PV803.1 PV804.2 | length 75.6
  Top Layer w3.81: 150.622,26 182,26 ; PV803.1@182,16.389 182,26 ; PV803.1@182,60.611 182,38.5 182,26
NetR101_1: R101.1 U201.17 | length 5.9
  Bottom Layer w0.254: U201.17 161.137,65.64 164.686,65.64 165.482,64.844 165.482,63.646 R101.1
NetR102_1: R102.1 U201.12 | length 6.3
  Bottom Layer w0.254: R102.1 155.03,68.052 155.818,68.84 157.762,68.84 158.404,68.198 158.404,67.353 U201.12
NetR303_1: R303.1 R305.3 | length 84
  Top Layer w0.254: v3(113.3,48.3) 114.1,49.1 v3(115.102,49.1) ; v3(141.1,75.271) 141.1,75.3 142.433,76.633 143.805,76.633 143.9,76.728 v3(143.9,76.829)
  Bottom Layer w0.254: R305.3 106.23,47.43 106.8,48 113,48 v3(113.3,48.3) ; v3(115.102,49.1) 115.102,49.221 115.394,49.512 115.394,49.632 117.294,51.532 117.294,72.881 119.684,75.271 139.609,75.271 v3(141.1,75.271) ; v3(143.9,76.829) 143.985,76.744 144.356,76.744 144.5,76.6 146.019,78.119 150.401,78.119 152.314,80.032 158.05,80.032 R303.1
NetR305_4: R305.4 R308.1 | length 81.5
  Bottom Layer w0.254: R305.4 108.77,60.952 113.786,65.968 113.786,72.764 118.802,77.78 142.075,77.78 142.1,77.754 144.304,77.754 145.076,78.526 150.233,78.526 152.146,80.438 152.223,80.438 152.282,80.497 153.836,80.497 159.13,80.497 162.439,77.188 162.439,75.689 162.439,72.491 161.827,71.88 R308.1
NetR400_PD1_1: R400_PD1.1 R401_PD1.2 R402_PD1.2 | length 157.9
  Top Layer w0.254: v3(143.805,68.6) 143.805,69.814 v3(144.793,70.802)
  Bottom Layer w0.254: R400_PD1.1@98.8,1.85 R400_PD1.1 98.544,1.856 97.744,1.856 96.5,3.1 R401_PD1.2 96.45,4.15 97.5,5.2 98.91,5.2 105.2,11.49 105.2,43.597 103.894,44.904 103.894,47.368 107.325,50.8 114.838,50.8 116,51.962 116,74.403 118.97,77.373 141.907,77.373 144.934,74.346 144.934,71.134 144.7,70.9 144.774,70.826 144.774,70.788 144.79,70.805 v3(144.793,70.802) ; v3(143.805,68.6) 143.805,59.67 152.268,51.206 159.207,51.206 160.328,52.327 R402_PD1.2
NetR400_PD2_1: R400_PD2.1 R401_PD2.2 R402_PD2.2 | length 173.8
  Top Layer w0.254: v3(26,73.2) v3(28.75,73.2) ; v3(148.133,79.335) 148.133,78.322 150.4,76.056 150.4,70.02 156.756,63.664 156.756,54.571 v3(158.227,53.1)
  Bottom Layer w0.254: R401_PD2.2 21.6,76.2 22.85,74.95 R400_PD2.1 25.15,73.2 v3(26,73.2) ; v3(28.75,73.2) 29.25,72.7 47.5,72.7 48.8,71.4 48.8,64.8 49.492,64.108 56.908,64.108 66.095,73.295 108.947,73.295 114.987,79.335 v3(148.133,79.335) ; v3(158.227,53.1) R402_PD2.2
NetR501_T1_2: R501_T1.2 U501_T1.3 | length 152.2
  Top Layer w0.254: U501_T1.3 101.45,9.35 101.5,9.4 101.5,9.8 101.7,10 103.5,10 103.7,10.2 v3(105.6,10.2) ; v3(142.8,70) 142.804,70 v3(144.304,71.5)
  Bottom Layer w0.254: v3(105.6,10.2) 105.6,11.315 105.606,11.322 105.606,43.927 104.3,45.234 104.3,47.2 107.494,50.394 115.006,50.394 116.406,51.794 116.406,74.235 118.772,76.6 141.6,76.6 144.494,73.706 144.494,71.689 v3(144.304,71.5) ; v3(142.8,70) 142.8,60.1 152.1,50.8 162.011,50.8 164.611,53.4 164.519,53.492 R501_T1.2
NetR501_T2_2: R501_T2.2 U501_T2.3 | length 174
  Top Layer w0.254: U501_T2.3 27.55,77.15 27.9,76.8 29.75,76.8 v3(30,77.05) ; v3(149.245,79.964) 149.245,78.055 150.806,76.494 150.806,70.188 157.4,63.595 157.4,56.8 v3(161.7,52.5)
  Bottom Layer w0.254: v3(30,77.05) 30,74.48 31.348,73.131 47.643,73.131 49.268,71.506 49.268,65.332 50.068,64.532 56.732,64.532 65.919,73.719 108.796,73.719 115.109,80.032 149.245,80.032 v3(149.245,79.964) ; v3(161.7,52.5) 162.439,53.239 R501_T2.2
NetU201_11: U201.11
SCL: P801.2 U201.15 | length 76
  Bottom Layer w0.254: P801.2 118.25,48.35 118.006,48.106 116.387,48.106 115.8,48.694 115.8,49.463 117.7,51.363 117.7,72.215 117.7,72.504 119.796,74.6 120.006,74.809 139.895,74.809 140.104,74.6 144.532,70.172 149.322,70.172 149.952,70.802 157.295,70.802 157.699,70.398 158.891,70.398 159.927,69.362 U201.15
SDA: P801.1 U201.14 | length 70.6
  Bottom Layer w0.254: P801.1 116.75,49.839 118.106,51.195 118.106,72.335 120.174,74.403 139.727,74.403 144.364,69.766 149.491,69.766 150.12,70.395 156.899,70.395 157.303,69.991 158.639,69.991 159.427,69.203 U201.14
V+: PV801.1 R305.1 R306.1 | length 200.5
  Top Layer w0.254: v3(143.6,78.384) 143.6,78.3 147.5,74.4 v3(147.5,71.2)
  Top Layer w3.81: PV801.1@22,16.389 22.05,16.439 22.05,38.45 22,38.5 PV801.1@22,60.611
  Bottom Layer w0.254: R305.1 106.964,52.654 106.964,59.72 112.879,65.636 112.879,72.432 118.652,78.204 143.488,78.204 143.6,78.316 v3(143.6,78.384) ; v3(147.5,71.2) 147.52,71.18 R306.1
  Bottom Layer w1.651: 98.506,49.5 101.838,49.5 104.693,52.355 R305.1
  Bottom Layer w3.81: PV801.1@22,60.611 33.111,49.5 98.506,49.5
V-: P801.5 P801.6 PV803.2 R301.1 | length 138.3
  Top Layer w0.254: v3(141.7,71.5) 141.7,72.005 v3(144.933,75.237)
  Bottom Layer w0.254: 132.3,47.805 141.7,57.205 v3(141.7,71.5) ; v3(144.933,75.237) 145.609,75.913 145.609,76.171 145.772,76.334 146.029,76.334 146.513,76.818 R301.1
  Bottom Layer w1.651: 123.5,49 123.5,50.3 124.4,51.2 128.905,51.2 132.3,47.805 132.3,41.2
  Bottom Layer w3.81: 132.3,41.2 132.3,30.119 136.419,26 204,26
  other v6: 204,25 205,26 204,27
V_buffer_out: OP301.7 R302.2 R311.2 | length 52.3
  Top Layer w0.254: v3(151.405,77.386) 151.405,77.344 154.823,73.926 v3(154.823,69.766)
  Bottom Layer w0.254: v3(151.405,77.386) 151.299,77.491 150.194,77.491 149.245,77.491 148.863,77.109 R302.2 148.988,76.28 149.7,76.28 151.65,74.33 OP301.7 ; v3(154.823,69.766) 150.065,69.766 149.659,69.359 149.647,69.359 148.34,68.052 145.609,68.052 144.626,67.069 144.626,59.424 144.775,59.275 151.723,52.327 155.476,52.327 156.127,52.977 R311.2
V_out: P801.7 P801.8 R305.2 | length 19
  Bottom Layer w1.651: R305.2 114.487,46.645 114.537,46.595 124.495,46.595 126.5,48.6
VIN0: C502_T1.2 R501_T1.1 U201.18 | length 12.7
  Bottom Layer w0.254: U201.18 162.6,65.13 165.586,62.144 165.586,58.509 165.265,58.188 164.719,57.642 164.519,57.642 R501_T1.1
VIN1: C502_T2.2 R501_T2.1 U201.19 | length 11.3
  Bottom Layer w0.254: U201.19 162.136,64.63 163.486,63.28 163.486,57.94 163.183,57.637 C502_T2.2 ; R501_T2.1 C502_T2.2
VIN2: C402_PD1.2 R402_PD1.1 U201.20 | length 9.4
  Bottom Layer w0.254: R402_PD1.1 C402_PD1.2 161.132,57.638 161.386,57.891 161.386,59.74 161.127,59.999 U201.20
VIN3: C402_PD2.2 R402_PD2.1 U201.1 | length 8.3
  Bottom Layer w0.254: R402_PD2.1 C402_PD2.2 158.841,57.638 159.477,58.274 159.477,61.199 159.927,61.649 U201.1
VIN4: C303.2 R311.1 U201.2 | length 9
  Bottom Layer w0.254: R311.1 C303.2 156.785,57.638 157.303,58.156 157.303,59.885 158.335,60.917 158.406,60.917 159.359,61.87 159.359,61.942 159.427,62.01 U201.2
VIN5: C302.2 R310.1 U201.3 | length 10.7
  Bottom Layer w0.254: R310.1 C302.2 154.775,57.638 155.186,58.049 155.186,60.15 156.385,61.349 158.227,61.349 158.927,62.049 U201.3
VIN6: C201.1 C202.2 C203.2 C204.1 C301.1 C302.1 C303.1 C401_PD1.1 C401_PD2.1 C402_PD1.1 C402_PD2.1 C501_T1.1 C501_T2.1 C502_T1.1 C502_T2.1 OP301.4 OP301.9 P701.1 P702.1 P705.1 P706.1 P801.3 P801.M1 P801.M2 R102.2 R307.2 R309.2 R401_PD1.1 R401_PD2.1 U201.4 U201.5 U201.6 U201.9 U201.21 U501_T1.1 U501_T1.2 U501_T1.5 U501_T2.1 U501_T2.2 U501_T2.5 | length 21.9
  Bottom Layer w0.254: v3(25.238,74.002) 25.5,74.264 C401_PD2.1 ; C501_T2.1 27.6,73.977 v3(27.727,73.85) ; C202.2 147.909,63.186 v3(147.5,63.595) 147.909,64.004 C203.2 ; R102.2 152.128,67.121 v3(152.314,66.935) 152.504,66.935 153.275,66.164 C204.1 ; v3(154.027,58.499) C302.1 ; v3(154.575,64.955) 154.622,64.955 155.115,65.449 155.295,65.449 155.476,65.63 U201.9 ; C301.1 156.58,78.88 v3(156.7,79) ; v3(156,62.7) 156.23,62.93 U201.5 U201.4 ; v3(156.127,58.497) C303.1 ; v3(158.227,58.497) C402_PD2.1 ; R309.2 160.075,71.33 v3(160.6,70.805) ; v3(160.327,58.497) C402_PD1.1 ; v3(162.438,58.496) C502_T2.1@162.438,59.336 ; v3(164.52,58.502) C502_T1.1
  other v1: 6,10 10,10 14,10 18,10 22,10 26,10 30,10 34,10 38,10 64,10 68,10 72,10 76,10 80,10 84,10 88,10 92,10 96,10 112,10 116,10 120,10 124,10 128,10 132,10 136,10 140,10 144,10 168,10 172,10 176,10 180,10 184,10 188,10 192,10 196,10 200,10 8,14 12,14 16,14 28,14 32,14 36,14 40,14 66,14 70,14 74,14 82,14 86,14 90,14 94,14 98,14 114,14 118,14 122,14 134,14 138,14 142,14 146,14 170,14 174,14 178,14 186,14 190,14 194,14 198,14 202,14 6,18 10,18 14,18 18,18 26,18 30,18 34,18 38,18 64,18 68,18 72,18 84,18 88,18 92,18 96,18 112,18 116,18 120,18 132,18 136,18 140,18 144,18 168,18 172,18 176,18 188,18 192,18 196,18 200,18 8,22 12,22 16,22 28,22 32,22 36,22 40,22 66,22 70,22 74,22 82,22 86,22 90,22 94,22 98,22 114,22 118,22 122,22 130,22 134,22 138,22 142,22 146,22 170,22 174,22 178,22 186,22 190,22 194,22 198,22 202,22 6,26 10,26 14,26 18,26 26,26 30,26 34,26 38,26 64,26 68,26 72,26 84,26 88,26 92,26 96,26 132,26 8,30 12,30 16,30 28,30 32,30 36,30 40,30 66,30 70,30 74,30 82,30 86,30 90,30 94,30 98,30 114,30 118,30 122,30 138,30 142,30 146,30 170,30 174,30 178,30 186,30 190,30 194,30 198,30 202,30 6,34 10,34 14,34 18,34 26,34 64,34 68,34 72,34 84,34 112,34 116,34 120,34 124,34 168,34 172,34 176,34 188,34 8,38 12,38 16,38 28,38 66,38 70,38 74,38 82,38 114,38 118,38 122,38 170,38 174,38 178,38 186,38 6,42 10,42 14,42 18,42 26,42 64,42 68,42 72,42 84,42 112,42 116,42 120,42 124,42 168,42 172,42 176,42 188,42 8,46 12,46 16,46 28,46 66,46 70,46 74,46 82,46 130,46 134,46 170,46 174,46 178,46 186,46 6,50 10,50 14,50 18,50 26,50 136,50 140,50 144,50 168,50 172,50 176,50 188,50 192,50 196,50 200,50 8,54 12,54 16,54 36,54 40,54 66,54 70,54 74,54 82,54 86,54 90,54 94,54 98,54 122,54 134,54 142,54 146,54 170,54 174,54 178,54 186,54 190,54 194,54 198,54 202,54 6,58 10,58 14,58 18,58 30,58 34,58 38,58 64,58 68,58 72,58 84,58 88,58 92,58 96,58 120,58 124,58 132,58 136,58 140,58 176,58 188,58 192,58 196,58 200,58 8,62 12,62 16,62 28,62 32,62 36,62 40,62 66,62 70,62 74,62 82,62 86,62 90,62 94,62 98,62 122,62 134,62 138,62 146,62 170,62 174,62 178,62 186,62 190,62 194,62 198,62 202,62 6,66 10,66 14,66 18,66 22,66 26,66 30,66 34,66 38,66 64,66 68,66 72,66 76,66 80,66 84,66 88,66 92,66 96,66 112,66 120,66 124,66 128,66 132,66 136,66 140,66 168,66 172,66 176,66 180,66 184,66 188,66 192,66 196,66 200,66 12,70 16,70 20,70 32,70 36,70 40,70 66,70 70,70 74,70 78,70 82,70 86,70 90,70 94,70 98,70 122,70 126,70 130,70 134,70 138,70 170,70 174,70 178,70 182,70 186,70 190,70 194,70 198,70 202,70
  other v2: 2,6 6,6 10,6 14,6 18,6 22,6 26,6 30,6 34,6 38,6 42,6 58,6 62,6 66,6 70,6 74,6 78,6 82,6 86,6 90,6 110,6 114,6 118,6 122,6 126,6 130,6 134,6 138,6 142,6 146,6 166,6 170,6 174,6 178,6 182,6 186,6 190,6 194,6 198,6 202,6 206,6 210,6 44,10 60,10 148,10 164,10 204,10 208,10 212,10 2,14 26,14 50,14 54,14 58,14 62,14 110,14 130,14 154,14 158,14 162,14 166,14 210,14 52,18 56,18 60,18 108,18 156,18 160,18 164,18 212,18 2,22 50,22 54,22 58,22 62,22 110,22 154,22 158,22 162,22 166,22 210,22 52,26 56,26 60,26 212,26 2,30 50,30 54,30 58,30 62,30 110,30 154,30 158,30 162,30 166,30 210,30 52,34 56,34 60,34 108,34 156,34 160,34 164,34 212,34 2,38 50,38 54,38 58,38 62,38 110,38 154,38 158,38 162,38 166,38 210,38 52,42 56,42 60,42 108,42 156,42 160,42 164,42 212,42 2,46 50,46 54,46 58,46 62,46 154,46 158,46 162,46 166,46 210,46 156,50 160,50 164,50 212,50 2,54 50,54 54,54 58,54 62,54 106,54 110,54 166,54 210,54 52,58 56,58 60,58 108,58 112,58 212,58 2,62 50,62 54,62 58,62 62,62 106,62 114,62 162,62 210,62 44,66 100,66 104,66 108,66 204,66 208,66 212,66 2,70 6,70 22,70 26,70 46,70 102,70 106,70 110,70 162,70 166,70 206,70 4,74 8,74 12,74 16,74 20,74 112,74 164,74 184,74 188,74 192,74 196,74 200,74 204,74 208,74 114.384,77.834 2,78 6,78 10,78 14,78 18,78 22,78 26,78 30,78 110,78 186,78 190,78 194,78 198,78 202,78 206,78 210,78
  other v5: 158.377,64.58 159.477,64.58 158.377,65.68 159.477,65.68
pads on no net: P703.1 P704.1
copper on no net:
  other v4: 33.94,75.968 35.21,75.968 43.94,75.968 45.21,75.968 168.79,75.968 170.06,75.968 178.79,75.968 180.06,75.968 33.305,76.73 35.845,76.73 43.305,76.73 45.845,76.73 168.155,76.73 170.695,76.73 178.155,76.73 180.695,76.73 32.543,77.365 36.607,77.365 42.543,77.365 46.607,77.365 167.393,77.365 171.457,77.365 177.393,77.365 181.457,77.365 32.67,78.635 36.607,78.635 42.67,78.635 46.607,78.635 167.52,78.635 171.457,78.635 177.52,78.635 181.457,78.635 33.305,79.27 35.845,79.27 43.305,79.27 45.845,79.27 168.155,79.27 170.695,79.27 178.155,79.27 180.695,79.27 33.94,80.032 35.21,80.032 43.94,80.032 45.21,80.032 168.79,80.032 170.06,80.032 178.79,80.032 180.06,80.032

## Polygon pours and split planes (outlines as drawn)
VIN6 on Bottom Layer "NONET_L04_P-001" (solid, remove dead copper, pour order 4): -6,93 -2.5,89.5 219,89.5 219,5.5 213.5,0 -5.5,0
VIN6 on Top Layer "NONET_L04_P-001" (solid, remove dead copper, pour order 5): -6,93 -2.5,89.5 219,89.5 219,5.5 213.5,0 -5.5,0

## Keep-outs
Bottom Layer:
  circle w4: c107,7 r1.75
  circle w4: c107,68 r1.75
  circle w4: c209.85,7 r1.75
  circle w4: c4.15,68 r1.75
  circle w4: c4.15,7 r1.75
  region: 209.6,71.7 209.6,68.75 209.95,68.4 213.6,68.4 213.6,66.2 211.6,64.2 208.6,64.2 206,66.8 206,69.6 208.1,71.7
Keep-Out Layer:
  lines w0.254: 0,69 0,0 50,0 50,12 56,12 56,0 155.5,0 155.5,12 161.5,12 161.5,0 214,0 214,69 210,69 210,75 214,75 214,81 206.7,81 175.925,81 175.925,75 172.925,75 172.925,81 108.5,81 108.5,74.5 72,74.5 65.5,74.5 56.5,65.5 50.5,65.5 50.5,81 41.075,81 41.075,75 38.075,75 38.075,81 0,81 0,75 0,69 ; 0,69 0,69 ; 30.35,31 30.35,46 42.5,46 42.5,31 30.35,31 ; 86.35,31 98.5,31 98.5,46 86.35,46 86.35,31 ; 135.35,31 147.5,31 147.5,46 135.35,46 135.35,31 ; 190.35,31 202.5,31 202.5,46 190.35,46 190.35,31

## Other copper
Top Layer:
  region net V-: 208.45,64.6 203.4,64.6 203.4,12.5 208.45,12.5
  region net NetPV803_1: 153.45,64.6 148.4,64.6 148.4,12.5 153.45,12.5
  region net NetPV802_2: 104.45,64.6 99.4,64.6 99.4,12.5 104.45,12.5
  region net NetPV801_2: 48.45,64.6 43.4,64.6 43.4,12.5 48.45,12.5
Bottom Layer:
  rectangle net V_out: 125.445,48.3 127.6,49.5
  rectangle net V-: 122.5,48 124.5,49.5

## Silkscreen, mask and mechanical layers (free items; w line width, h text height)
Top Overlay:
  drawing of 4297 lines, arcs and shapes, not listed
  text "ZENITH" at 110.15,79 h2
  text "HYPERION: PORT" at 187.44,78.608 h3
  text "'.Print_Date'  V'.ProjectVersion' SVN '.SVNVersion'" at 186.667,76.596 h2
  text "Nicholas J. Sorensen" at 186.815,74.37 h2
  text "RAM" at 1.641,36.725 h2 r90
  text "ANTIRAM" at 213.641,34.56 h2 r90
  text "NADIR" at 110.15,0.8 h2
Bottom Overlay:
  text "ZENITH" at 119.85,79 h2
  text "SDA" at 117.055,47.3 h0.7 r90
  text "SCL" at 118.55,47.3 h0.7 r90
  text "GND" at 119.995,47.3 h0.7 r90
  text "3V3" at 121.465,47.3 h0.7 r90
  text "VPD-" at 122.875,47.3 h0.7 r90
  text "VPD-" at 124.345,47.3 h0.7 r90
  text "VPD+" at 125.815,47.3 h0.7 r90
  text "VPD+" at 127.285,47.3 h0.7 r90
  text "ANTIRAM" at 213.641,46.44 h2 r90
  text "RAM" at 1.641,44.275 h2 r90
  text "NADIR" at 119.85,0.8 h2
Mechanical 1:
  lines w0.254: 0,69 0,75 0,81 38.075,81 38.075,75 41.075,75 41.075,81 50.5,81 50.5,65.5 56.5,65.5 65.5,74.5 72,74.5 108.5,74.5 108.5,81 172.925,81 172.925,75 175.925,75 175.925,81 206.7,81 214,81 214,75 210,75 210,69 214,69 214,0 161.5,0 161.5,12 155.5,12 155.5,0 56,0 56,12 50,12 50,0 0,0 0,69 ; 0,69 0,69 ; 30.35,31 42.5,31 42.5,46 30.35,46 30.35,31 ; 86.35,31 86.35,46 98.5,46 98.5,31 86.35,31 ; 135.35,31 135.35,46 147.5,46 147.5,31 135.35,31 ; 190.35,31 190.35,46 202.5,46 202.5,31 190.35,31

## Text inside footprints (layer, text, board x,y; h text height)
PV801: Top Overlay "-" at 46,55.645 h0.7 r270; Top Overlay "-" at 46,34.944 h0.7 r270; Top Overlay "-" at 46.028,21.406 h0.7 r270; Top Overlay "+" at 21.365,56.28 h0.7 r270; Top Overlay "+" at 21.365,34.055 h0.7 r270; Top Overlay "+" at 21.365,11.83 h0.7 r270
PV802: Top Overlay "-" at 102,55.645 h0.7 r270; Top Overlay "-" at 102,34.944 h0.7 r270; Top Overlay "-" at 102.028,21.406 h0.7 r270; Top Overlay "+" at 77.365,56.28 h0.7 r270; Top Overlay "+" at 77.365,34.055 h0.7 r270; Top Overlay "+" at 77.365,11.83 h0.7 r270
PV803: Top Overlay "+" at 181.365,11.83 h0.7 r270; Top Overlay "+" at 181.365,34.055 h0.7 r270; Top Overlay "+" at 181.365,56.28 h0.7 r270; Top Overlay "-" at 206.028,21.406 h0.7 r270; Top Overlay "-" at 206,34.944 h0.7 r270; Top Overlay "-" at 206,55.645 h0.7 r270
PV804: Top Overlay "-" at 151,55.645 h0.7 r270; Top Overlay "-" at 151,34.944 h0.7 r270; Top Overlay "-" at 151.028,21.406 h0.7 r270; Top Overlay "+" at 126.365,56.28 h0.7 r270; Top Overlay "+" at 126.365,34.055 h0.7 r270; Top Overlay "+" at 126.365,11.83 h0.7 r270